# Altium PCB cPCIs_controller.pcbdoc (part 1 of 4) (continued)
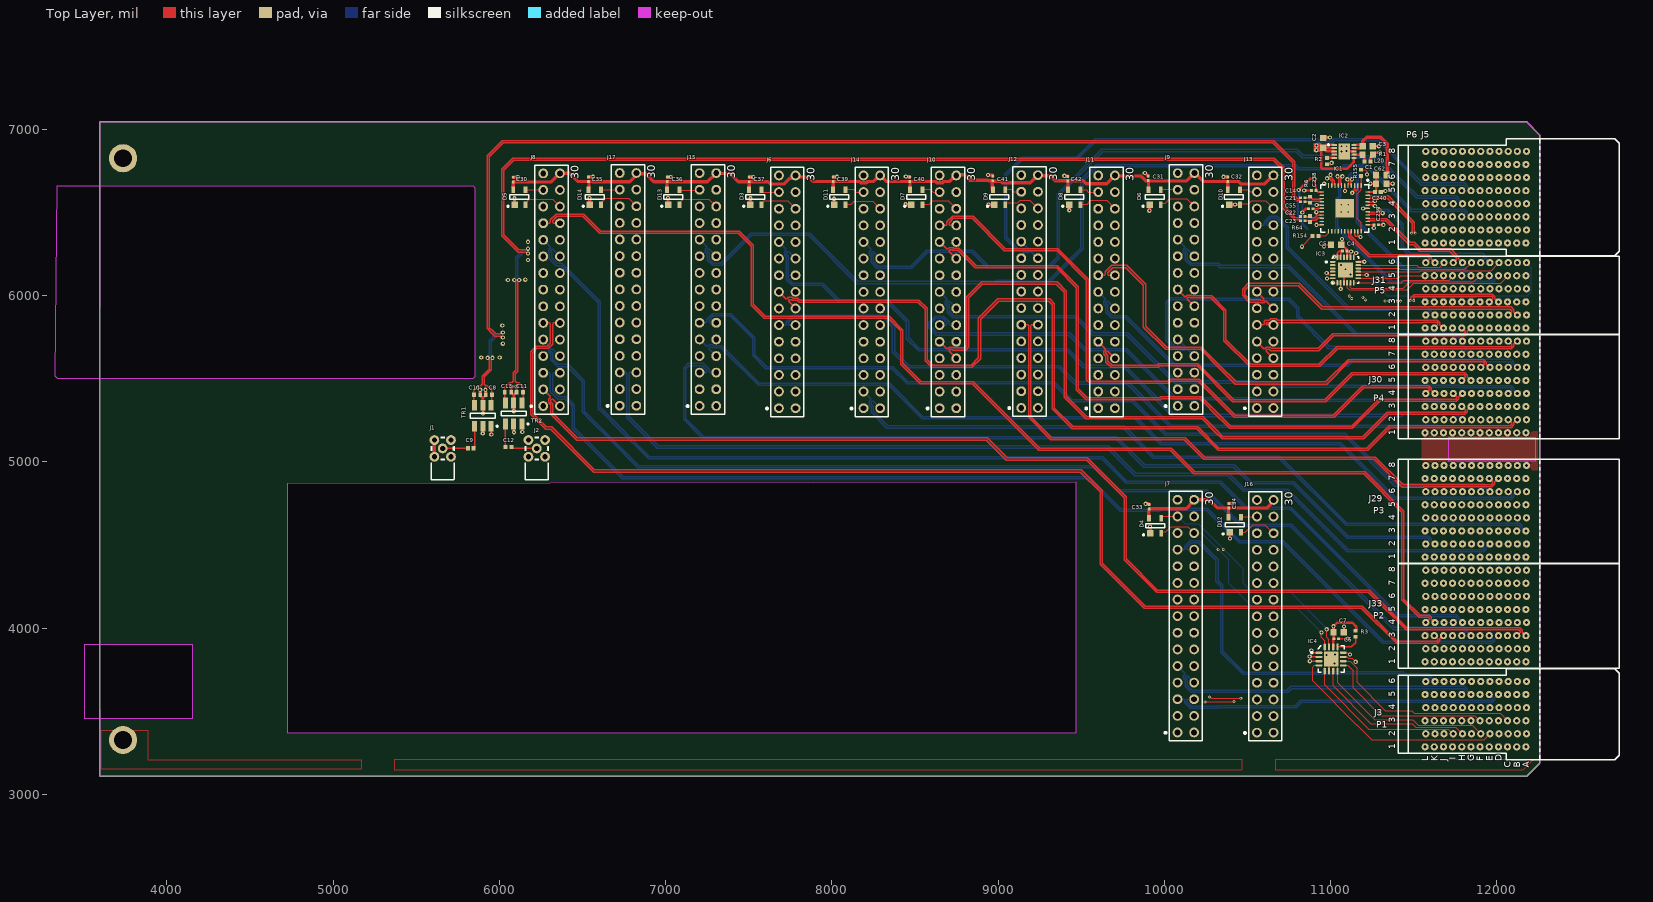
[diagram p0: Top Layer view]
## Classes and differential pairs
net class SLOT0: EXT0.LVDS_0_N EXT0.LVDS_0_P EXT0.LVDS_1_N EXT0.LVDS_1_P EXT0.LVDS_2_N EXT0.LVDS_2_P EXT0.LVDS_3_N EXT0.LVDS_3_P EXT0.LVDS_4_N EXT0.LVDS_4_P EXT0.LVDS_5_N EXT0.LVDS_5_P EXT0.LVDS_6_N EXT0.LVDS_6_P EXT0.LVDS_7_N EXT0.LVDS_7_P
net class SLOT11: EXT11.LVDS_0_N EXT11.LVDS_0_P EXT11.LVDS_1_N EXT11.LVDS_1_P EXT11.LVDS_2_N EXT11.LVDS_2_P EXT11.LVDS_3_N EXT11.LVDS_3_P EXT11.LVDS_4_N EXT11.LVDS_4_P EXT11.LVDS_5_N EXT11.LVDS_5_P EXT11.LVDS_6_N EXT11.LVDS_6_P EXT11.LVDS_7_N EXT11.LVDS_7_P
net class SLOT10: EXT10.LVDS_0_N EXT10.LVDS_0_P EXT10.LVDS_1_N EXT10.LVDS_1_P EXT10.LVDS_2_N EXT10.LVDS_2_P EXT10.LVDS_3_N EXT10.LVDS_3_P EXT10.LVDS_4_N EXT10.LVDS_4_P EXT10.LVDS_5_N EXT10.LVDS_5_P EXT10.LVDS_6_N EXT10.LVDS_6_P EXT10.LVDS_7_N EXT10.LVDS_7_P
net class SLOT9: EXT9.LVDS_0_N EXT9.LVDS_0_P EXT9.LVDS_1_N EXT9.LVDS_1_P EXT9.LVDS_2_N EXT9.LVDS_2_P EXT9.LVDS_3_N EXT9.LVDS_3_P EXT9.LVDS_4_N EXT9.LVDS_4_P EXT9.LVDS_5_N EXT9.LVDS_5_P EXT9.LVDS_6_N EXT9.LVDS_6_P EXT9.LVDS_7_N EXT9.LVDS_7_P
component class CPCIS_EEM_Controller: C4 C5 C6 C7 IC3 IC4 R3
net class CLK: 1_PE_CLK_N 1_PE_CLK_P 2_PE_CLK_N 2_PE_CLK_P 3_PE_CLK_N 3_PE_CLK_P 4_PE_CLK_N 4_PE_CLK_P 5_PE_CLK_N 5_PE_CLK_P 6_PE_CLK_N 6_PE_CLK_P 7_PE_CLK_N 7_PE_CLK_P 8_PE_CLK_N 8_PE_CLK_P
net class SLOT8: EXT8.LVDS_0_N EXT8.LVDS_0_P EXT8.LVDS_1_N EXT8.LVDS_1_P EXT8.LVDS_2_N EXT8.LVDS_2_P EXT8.LVDS_3_N EXT8.LVDS_3_P EXT8.LVDS_4_N EXT8.LVDS_4_P EXT8.LVDS_5_N EXT8.LVDS_5_P EXT8.LVDS_6_N EXT8.LVDS_6_P EXT8.LVDS_7_N EXT8.LVDS_7_P
net class SLOT7: EXT7.LVDS_0_N EXT7.LVDS_0_P EXT7.LVDS_1_N EXT7.LVDS_1_P EXT7.LVDS_2_N EXT7.LVDS_2_P EXT7.LVDS_3_N EXT7.LVDS_3_P EXT7.LVDS_4_N EXT7.LVDS_4_P EXT7.LVDS_5_N EXT7.LVDS_5_P EXT7.LVDS_6_N EXT7.LVDS_6_P EXT7.LVDS_7_N EXT7.LVDS_7_P
net class SLOT6: EXT6.LVDS_0_N EXT6.LVDS_0_P EXT6.LVDS_1_N EXT6.LVDS_1_P EXT6.LVDS_2_N EXT6.LVDS_2_P EXT6.LVDS_3_N EXT6.LVDS_3_P EXT6.LVDS_4_N EXT6.LVDS_4_P EXT6.LVDS_5_N EXT6.LVDS_5_P EXT6.LVDS_6_N EXT6.LVDS_6_P EXT6.LVDS_7_N EXT6.LVDS_7_P
net class SLOT5: EXT5.LVDS_0_N EXT5.LVDS_0_P EXT5.LVDS_1_N EXT5.LVDS_1_P EXT5.LVDS_2_N EXT5.LVDS_2_P EXT5.LVDS_3_N EXT5.LVDS_3_P EXT5.LVDS_4_N EXT5.LVDS_4_P EXT5.LVDS_5_N EXT5.LVDS_5_P EXT5.LVDS_6_N EXT5.LVDS_6_P EXT5.LVDS_7_N EXT5.LVDS_7_P
net class SLOT4: EXT4.LVDS_0_N EXT4.LVDS_0_P EXT4.LVDS_1_N EXT4.LVDS_1_P EXT4.LVDS_2_N EXT4.LVDS_2_P EXT4.LVDS_3_N EXT4.LVDS_3_P EXT4.LVDS_4_N EXT4.LVDS_4_P EXT4.LVDS_5_N EXT4.LVDS_5_P EXT4.LVDS_6_N EXT4.LVDS_6_P EXT4.LVDS_7_N EXT4.LVDS_7_P
net class SLOT3: EXT3.LVDS_0_N EXT3.LVDS_0_P EXT3.LVDS_1_N EXT3.LVDS_1_P EXT3.LVDS_2_N EXT3.LVDS_2_P EXT3.LVDS_3_N EXT3.LVDS_3_P EXT3.LVDS_4_N EXT3.LVDS_4_P EXT3.LVDS_5_N EXT3.LVDS_5_P EXT3.LVDS_6_N EXT3.LVDS_6_P EXT3.LVDS_7_N EXT3.LVDS_7_P
net class SLOT2: EXT2.LVDS_0_N EXT2.LVDS_0_P EXT2.LVDS_1_N EXT2.LVDS_1_P EXT2.LVDS_2_N EXT2.LVDS_2_P EXT2.LVDS_3_N EXT2.LVDS_3_P EXT2.LVDS_4_N EXT2.LVDS_4_P EXT2.LVDS_5_N EXT2.LVDS_5_P EXT2.LVDS_6_N EXT2.LVDS_6_P EXT2.LVDS_7_N EXT2.LVDS_7_P
net class SLOT1: EXT1.LVDS_0_N EXT1.LVDS_0_P EXT1.LVDS_1_N EXT1.LVDS_1_P EXT1.LVDS_2_N EXT1.LVDS_2_P EXT1.LVDS_3_N EXT1.LVDS_3_P EXT1.LVDS_4_N EXT1.LVDS_4_P EXT1.LVDS_5_N EXT1.LVDS_5_P EXT1.LVDS_6_N EXT1.LVDS_6_P EXT1.LVDS_7_N EXT1.LVDS_7_P
net class LVDS: 1_PE_CLK_N 1_PE_CLK_P 2_PE_CLK_N 2_PE_CLK_P 3_PE_CLK_N 3_PE_CLK_P 4_PE_CLK_N 4_PE_CLK_P 5_PE_CLK_N 5_PE_CLK_P 6_PE_CLK_N 6_PE_CLK_P 7_PE_CLK_N 7_PE_CLK_P 8_PE_CLK_N 8_PE_CLK_P EXT0.LVDS_0_N EXT0.LVDS_0_P EXT0.LVDS_1_N EXT0.LVDS_1_P EXT0.LVDS_2_N EXT0.LVDS_2_P EXT0.LVDS_3_N EXT0.LVDS_3_P EXT0.LVDS_4_N EXT0.LVDS_4_P EXT0.LVDS_5_N EXT0.LVDS_5_P EXT0.LVDS_6_N EXT0.LVDS_6_P EXT0.LVDS_7_N EXT0.LVDS_7_P EXT1.LVDS_0_N EXT1.LVDS_0_P EXT1.LVDS_1_N EXT1.LVDS_1_P EXT1.LVDS_2_N EXT1.LVDS_2_P EXT1.LVDS_3_N EXT1.LVDS_3_P EXT1.LVDS_4_N EXT1.LVDS_4_P EXT1.LVDS_5_N EXT1.LVDS_5_P EXT1.LVDS_6_N EXT1.LVDS_6_P EXT1.LVDS_7_N EXT1.LVDS_7_P EXT2.LVDS_0_N EXT2.LVDS_0_P EXT2.LVDS_1_N EXT2.LVDS_1_P EXT2.LVDS_2_N EXT2.LVDS_2_P EXT2.LVDS_3_N EXT2.LVDS_3_P EXT2.LVDS_4_N EXT2.LVDS_4_P EXT2.LVDS_5_N EXT2.LVDS_5_P EXT2.LVDS_6_N EXT2.LVDS_6_P EXT2.LVDS_7_N EXT2.LVDS_7_P EXT3.LVDS_0_N EXT3.LVDS_0_P EXT3.LVDS_1_N EXT3.LVDS_1_P EXT3.LVDS_2_N EXT3.LVDS_2_P EXT3.LVDS_3_N EXT3.LVDS_3_P EXT3.LVDS_4_N EXT3.LVDS_4_P EXT3.LVDS_5_N EXT3.LVDS_5_P EXT3.LVDS_6_N EXT3.LVDS_6_P EXT3.LVDS_7_N EXT3.LVDS_7_P EXT4.LVDS_0_N EXT4.LVDS_0_P EXT4.LVDS_1_N EXT4.LVDS_1_P EXT4.LVDS_2_N EXT4.LVDS_2_P EXT4.LVDS_3_N EXT4.LVDS_3_P EXT4.LVDS_4_N EXT4.LVDS_4_P EXT4.LVDS_5_N EXT4.LVDS_5_P EXT4.LVDS_6_N EXT4.LVDS_6_P EXT4.LVDS_7_N EXT4.LVDS_7_P EXT5.LVDS_0_N EXT5.LVDS_0_P EXT5.LVDS_1_N EXT5.LVDS_1_P EXT5.LVDS_2_N EXT5.LVDS_2_P EXT5.LVDS_3_N EXT5.LVDS_3_P EXT5.LVDS_4_N EXT5.LVDS_4_P EXT5.LVDS_5_N EXT5.LVDS_5_P EXT5.LVDS_6_N EXT5.LVDS_6_P EXT5.LVDS_7_N EXT5.LVDS_7_P EXT6.LVDS_0_N EXT6.LVDS_0_P EXT6.LVDS_1_N EXT6.LVDS_1_P EXT6.LVDS_2_N EXT6.LVDS_2_P EXT6.LVDS_3_N EXT6.LVDS_3_P EXT6.LVDS_4_N EXT6.LVDS_4_P EXT6.LVDS_5_N EXT6.LVDS_5_P EXT6.LVDS_6_N EXT6.LVDS_6_P EXT6.LVDS_7_N EXT6.LVDS_7_P EXT7.LVDS_0_N EXT7.LVDS_0_P EXT7.LVDS_1_N EXT7.LVDS_1_P EXT7.LVDS_2_N EXT7.LVDS_2_P EXT7.LVDS_3_N EXT7.LVDS_3_P EXT7.LVDS_4_N EXT7.LVDS_4_P EXT7.LVDS_5_N EXT7.LVDS_5_P EXT7.LVDS_6_N EXT7.LVDS_6_P EXT7.LVDS_7_N EXT7.LVDS_7_P EXT8.LVDS_0_N EXT8.LVDS_0_P EXT8.LVDS_1_N EXT8.LVDS_1_P EXT8.LVDS_2_N EXT8.LVDS_2_P EXT8.LVDS_3_N EXT8.LVDS_3_P EXT8.LVDS_4_N EXT8.LVDS_4_P EXT8.LVDS_5_N EXT8.LVDS_5_P EXT8.LVDS_6_N EXT8.LVDS_6_P EXT8.LVDS_7_N EXT8.LVDS_7_P EXT9.LVDS_0_N EXT9.LVDS_0_P EXT9.LVDS_1_N EXT9.LVDS_1_P EXT9.LVDS_2_N EXT9.LVDS_2_P EXT9.LVDS_3_N EXT9.LVDS_3_P EXT9.LVDS_4_N EXT9.LVDS_4_P EXT9.LVDS_5_N EXT9.LVDS_5_P EXT9.LVDS_6_N EXT9.LVDS_6_P EXT9.LVDS_7_N EXT9.LVDS_7_P EXT10.LVDS_0_N EXT10.LVDS_0_P EXT10.LVDS_1_N EXT10.LVDS_1_P EXT10.LVDS_2_N EXT10.LVDS_2_P EXT10.LVDS_3_N EXT10.LVDS_3_P EXT10.LVDS_4_N EXT10.LVDS_4_P EXT10.LVDS_5_N EXT10.LVDS_5_P EXT10.LVDS_6_N EXT10.LVDS_6_P EXT10.LVDS_7_N EXT10.LVDS_7_P EXT11.LVDS_0_N EXT11.LVDS_0_P EXT11.LVDS_1_N EXT11.LVDS_1_P EXT11.LVDS_2_N EXT11.LVDS_2_P EXT11.LVDS_3_N EXT11.LVDS_3_P EXT11.LVDS_4_N EXT11.LVDS_4_P EXT11.LVDS_5_N EXT11.LVDS_5_P EXT11.LVDS_6_N EXT11.LVDS_6_P EXT11.LVDS_7_N EXT11.LVDS_7_P
component class CLK_DIST: C1 C2 C3 C8 C9 C10 C11 C12 C13 C14 C21 C22 C23 C55 C62 C238 C239 C240 IC1 IC2 J1 J2 L20 R1 R2 R6 R64 R65 R66 R86 R103 R154 R155 TR1 TR2
net class I2C_SDA_[11..0]: I2C_SDA_0 I2C_SDA_1 I2C_SDA_2 I2C_SDA_3 I2C_SDA_4 I2C_SDA_5 I2C_SDA_6 I2C_SDA_7 I2C_SDA_8 I2C_SDA_9 I2C_SDA_10 I2C_SDA_11
net class I2C_SCL_[11..0]: I2C_SCL_0 I2C_SCL_1 I2C_SCL_2 I2C_SCL_3 I2C_SCL_4 I2C_SCL_5 I2C_SCL_6 I2C_SCL_7 I2C_SCL_8 I2C_SCL_9 I2C_SCL_10 I2C_SCL_11
component class U_IDC_EXT_Connectors: C30 C31 C32 C33 C34 C35 C36 C37 C39 C40 C41 C42 D3 D4 D5 D6 D7 D8 D9 D10 D11 D12 D13 D14 J6 J7 J8 J9 J10 J11 J12 J13 J14 J15 J16 J17
component class U_Cpcis_connectors_P4_P5_P6: J5 J30 J31
pad class Direct: Free-P13
component class U_Cpcis_connectors_P1_P2_P3: J3 J29 J33
differential pair EXT0.LVDS_7: +EXT0.LVDS_7_P -EXT0.LVDS_7_N
differential pair EXT0.LVDS_6: +EXT0.LVDS_6_P -EXT0.LVDS_6_N
differential pair EXT0.LVDS_5: +EXT0.LVDS_5_P -EXT0.LVDS_5_N
differential pair EXT0.LVDS_4: +EXT0.LVDS_4_P -EXT0.LVDS_4_N
differential pair EXT0.LVDS_3: +EXT0.LVDS_3_P -EXT0.LVDS_3_N
differential pair EXT0.LVDS_2: +EXT0.LVDS_2_P -EXT0.LVDS_2_N
differential pair EXT0.LVDS_1: +EXT0.LVDS_1_P -EXT0.LVDS_1_N
differential pair EXT0.LVDS_0: +EXT0.LVDS_0_P -EXT0.LVDS_0_N
differential pair EXT11.LVDS_7: +EXT11.LVDS_7_P -EXT11.LVDS_7_N
differential pair EXT11.LVDS_6: +EXT11.LVDS_6_P -EXT11.LVDS_6_N
differential pair EXT11.LVDS_5: +EXT11.LVDS_5_P -EXT11.LVDS_5_N
differential pair EXT11.LVDS_4: +EXT11.LVDS_4_P -EXT11.LVDS_4_N
differential pair EXT11.LVDS_3: +EXT11.LVDS_3_P -EXT11.LVDS_3_N
differential pair EXT11.LVDS_2: +EXT11.LVDS_2_P -EXT11.LVDS_2_N
differential pair EXT11.LVDS_1: +EXT11.LVDS_1_P -EXT11.LVDS_1_N
differential pair EXT11.LVDS_0: +EXT11.LVDS_0_P -EXT11.LVDS_0_N
differential pair EXT10.LVDS_7: +EXT10.LVDS_7_P -EXT10.LVDS_7_N
differential pair EXT10.LVDS_6: +EXT10.LVDS_6_P -EXT10.LVDS_6_N
differential pair EXT10.LVDS_5: +EXT10.LVDS_5_P -EXT10.LVDS_5_N
differential pair EXT10.LVDS_4: +EXT10.LVDS_4_P -EXT10.LVDS_4_N
differential pair EXT10.LVDS_3: +EXT10.LVDS_3_P -EXT10.LVDS_3_N
differential pair EXT10.LVDS_2: +EXT10.LVDS_2_P -EXT10.LVDS_2_N
differential pair EXT10.LVDS_1: +EXT10.LVDS_1_P -EXT10.LVDS_1_N
differential pair EXT10.LVDS_0: +EXT10.LVDS_0_P -EXT10.LVDS_0_N
differential pair EXT9.LVDS_7: +EXT9.LVDS_7_P -EXT9.LVDS_7_N
differential pair EXT9.LVDS_6: +EXT9.LVDS_6_P -EXT9.LVDS_6_N
differential pair EXT9.LVDS_5: +EXT9.LVDS_5_P -EXT9.LVDS_5_N
differential pair EXT9.LVDS_4: +EXT9.LVDS_4_P -EXT9.LVDS_4_N
differential pair EXT9.LVDS_3: +EXT9.LVDS_3_P -EXT9.LVDS_3_N
differential pair EXT9.LVDS_2: +EXT9.LVDS_2_P -EXT9.LVDS_2_N
differential pair EXT9.LVDS_1: +EXT9.LVDS_1_P -EXT9.LVDS_1_N
differential pair EXT9.LVDS_0: +EXT9.LVDS_0_P -EXT9.LVDS_0_N
differential pair AUX_DCXO_C: +AUX_DCXO_C_P -AUX_DCXO_C_N
differential pair Main_DCXO: +Main_DCXO_P -Main_DCXO_N
differential pair Main_DCXO_C: +Main_DCXO_C_P -Main_DCXO_C_N
differential pair 8_PE_CLK: +8_PE_CLK_P -8_PE_CLK_N
differential pair 7_PE_CLK: +7_PE_CLK_P -7_PE_CLK_N
differential pair 6_PE_CLK: +6_PE_CLK_P -6_PE_CLK_N
differential pair 5_PE_CLK: +5_PE_CLK_P -5_PE_CLK_N
differential pair 4_PE_CLK: +4_PE_CLK_P -4_PE_CLK_N
differential pair 3_PE_CLK: +3_PE_CLK_P -3_PE_CLK_N
differential pair 2_PE_CLK: +2_PE_CLK_P -2_PE_CLK_N
differential pair 1_PE_CLK: +1_PE_CLK_P -1_PE_CLK_N
differential pair EXT8.LVDS_7: +EXT8.LVDS_7_P -EXT8.LVDS_7_N
differential pair EXT8.LVDS_6: +EXT8.LVDS_6_P -EXT8.LVDS_6_N
differential pair EXT8.LVDS_5: +EXT8.LVDS_5_P -EXT8.LVDS_5_N
differential pair EXT8.LVDS_4: +EXT8.LVDS_4_P -EXT8.LVDS_4_N
differential pair EXT8.LVDS_3: +EXT8.LVDS_3_P -EXT8.LVDS_3_N
differential pair EXT8.LVDS_2: +EXT8.LVDS_2_P -EXT8.LVDS_2_N
differential pair EXT8.LVDS_1: +EXT8.LVDS_1_P -EXT8.LVDS_1_N
differential pair EXT8.LVDS_0: +EXT8.LVDS_0_P -EXT8.LVDS_0_N
differential pair EXT7.LVDS_7: +EXT7.LVDS_7_P -EXT7.LVDS_7_N
differential pair EXT7.LVDS_6: +EXT7.LVDS_6_P -EXT7.LVDS_6_N
differential pair EXT7.LVDS_5: +EXT7.LVDS_5_P -EXT7.LVDS_5_N
differential pair EXT7.LVDS_4: +EXT7.LVDS_4_P -EXT7.LVDS_4_N
differential pair EXT7.LVDS_3: +EXT7.LVDS_3_P -EXT7.LVDS_3_N
differential pair EXT7.LVDS_2: +EXT7.LVDS_2_P -EXT7.LVDS_2_N
differential pair EXT7.LVDS_1: +EXT7.LVDS_1_P -EXT7.LVDS_1_N
differential pair EXT7.LVDS_0: +EXT7.LVDS_0_P -EXT7.LVDS_0_N
differential pair EXT6.LVDS_7: +EXT6.LVDS_7_P -EXT6.LVDS_7_N
differential pair EXT6.LVDS_6: +EXT6.LVDS_6_P -EXT6.LVDS_6_N
differential pair EXT6.LVDS_5: +EXT6.LVDS_5_P -EXT6.LVDS_5_N
differential pair EXT6.LVDS_4: +EXT6.LVDS_4_P -EXT6.LVDS_4_N
differential pair EXT6.LVDS_3: +EXT6.LVDS_3_P -EXT6.LVDS_3_N
differential pair EXT6.LVDS_2: +EXT6.LVDS_2_P -EXT6.LVDS_2_N
differential pair EXT6.LVDS_1: +EXT6.LVDS_1_P -EXT6.LVDS_1_N
differential pair EXT6.LVDS_0: +EXT6.LVDS_0_P -EXT6.LVDS_0_N
differential pair EXT5.LVDS_7: +EXT5.LVDS_7_P -EXT5.LVDS_7_N
differential pair EXT5.LVDS_6: +EXT5.LVDS_6_P -EXT5.LVDS_6_N
differential pair EXT5.LVDS_5: +EXT5.LVDS_5_P -EXT5.LVDS_5_N
differential pair EXT5.LVDS_4: +EXT5.LVDS_4_P -EXT5.LVDS_4_N
differential pair EXT5.LVDS_3: +EXT5.LVDS_3_P -EXT5.LVDS_3_N
differential pair EXT5.LVDS_2: +EXT5.LVDS_2_P -EXT5.LVDS_2_N
differential pair EXT5.LVDS_1: +EXT5.LVDS_1_P -EXT5.LVDS_1_N
differential pair EXT5.LVDS_0: +EXT5.LVDS_0_P -EXT5.LVDS_0_N
differential pair EXT4.LVDS_7: +EXT4.LVDS_7_P -EXT4.LVDS_7_N
differential pair EXT4.LVDS_6: +EXT4.LVDS_6_P -EXT4.LVDS_6_N
differential pair EXT4.LVDS_5: +EXT4.LVDS_5_P -EXT4.LVDS_5_N
differential pair EXT4.LVDS_4: +EXT4.LVDS_4_P -EXT4.LVDS_4_N
differential pair EXT4.LVDS_3: +EXT4.LVDS_3_P -EXT4.LVDS_3_N
differential pair EXT4.LVDS_2: +EXT4.LVDS_2_P -EXT4.LVDS_2_N
differential pair EXT4.LVDS_1: +EXT4.LVDS_1_P -EXT4.LVDS_1_N
differential pair EXT4.LVDS_0: +EXT4.LVDS_0_P -EXT4.LVDS_0_N
differential pair EXT3.LVDS_7: +EXT3.LVDS_7_P -EXT3.LVDS_7_N
differential pair EXT3.LVDS_6: +EXT3.LVDS_6_P -EXT3.LVDS_6_N
differential pair EXT3.LVDS_5: +EXT3.LVDS_5_P -EXT3.LVDS_5_N
differential pair EXT3.LVDS_4: +EXT3.LVDS_4_P -EXT3.LVDS_4_N
differential pair EXT3.LVDS_3: +EXT3.LVDS_3_P -EXT3.LVDS_3_N
differential pair EXT3.LVDS_2: +EXT3.LVDS_2_P -EXT3.LVDS_2_N
differential pair EXT3.LVDS_1: +EXT3.LVDS_1_P -EXT3.LVDS_1_N
differential pair EXT3.LVDS_0: +EXT3.LVDS_0_P -EXT3.LVDS_0_N
differential pair EXT2.LVDS_7: +EXT2.LVDS_7_P -EXT2.LVDS_7_N
differential pair EXT2.LVDS_6: +EXT2.LVDS_6_P -EXT2.LVDS_6_N
differential pair EXT2.LVDS_5: +EXT2.LVDS_5_P -EXT2.LVDS_5_N
differential pair EXT2.LVDS_4: +EXT2.LVDS_4_P -EXT2.LVDS_4_N
differential pair EXT2.LVDS_3: +EXT2.LVDS_3_P -EXT2.LVDS_3_N
differential pair EXT2.LVDS_2: +EXT2.LVDS_2_P -EXT2.LVDS_2_N
differential pair EXT2.LVDS_1: +EXT2.LVDS_1_P -EXT2.LVDS_1_N
differential pair EXT2.LVDS_0: +EXT2.LVDS_0_P -EXT2.LVDS_0_N
differential pair EXT1.LVDS_7: +EXT1.LVDS_7_P -EXT1.LVDS_7_N
differential pair EXT1.LVDS_6: +EXT1.LVDS_6_P -EXT1.LVDS_6_N
differential pair EXT1.LVDS_5: +EXT1.LVDS_5_P -EXT1.LVDS_5_N
differential pair EXT1.LVDS_4: +EXT1.LVDS_4_P -EXT1.LVDS_4_N
differential pair EXT1.LVDS_3: +EXT1.LVDS_3_P -EXT1.LVDS_3_N
differential pair EXT1.LVDS_2: +EXT1.LVDS_2_P -EXT1.LVDS_2_N
differential pair EXT1.LVDS_1: +EXT1.LVDS_1_P -EXT1.LVDS_1_N
differential pair EXT1.LVDS_0: +EXT1.LVDS_0_P -EXT1.LVDS_0_N

## Components (designator, comment, footprint, x,y, rotation, side; value= is the part's Value field where it differs from the comment)
C1 "470nF" CAPC1005X55N 11222,6806 r0 top
C2 "4.7uF" CAPC1709X95N 10957,6919.53 r270 top
C3 "10uF" CAPC1608X80N 11223.53,6900 r180 top
C4 "100nF" CAPC0603X33N 11085,6269 r0 top
C5 "1uF" CAPC1608X87N 11034,6307 r0 top
C6 "100nF" CAPC0603X33N 11034,3936 r180 top
C7 "1uF" CAPC1608X87N 11049,3975 r180 top
C8 "0.5pF" CAPC1005X50N 5937,5405 r0 top
C9 "100nF" CAPC1005X55N 5828,5082 r0 top
C10 "0.5pF" CAPC1005X50N 5866,5405 r0 top
C11 "0.5pF" CAPC1005X50N 6123,5419 r0 top
C12 "100nF" CAPC1005X55N 6054,5090 r180 top
C13 "0.5pF" CAPC1005X50N 6052,5419 r0 top
C14 "100nF" CAPC0603X33N 10834,6590 r0 top
C21 "100nF" CAPC0603X33N 10834,6565 r0 top
C22 "100nF" CAPC0603X33N 10833,6476 r0 top
C23 "100nF" CAPC0603X33N 10833,6450 r0 top
C30 "100nF" CAPC0603X33N 6084,6698.78 r270 top
C31 "100nF" CAPC0603X33N 9903,6706 r270 top
C32 "100nF" CAPC0603X33N 10383,6701 r270 top
C33 "100nF" CAPC0603X33N 9909,4731 r270 top
C34 "100nF" CAPC0603X33N 10387,4736 r270 top
C35 "100nF" CAPC0603X33N 6536,6701 r270 top
C36 "100nF" CAPC0603X33N 7009,6700 r270 top
C37 "100nF" CAPC0603X33N 7503,6699 r270 top
C39 "100nF" CAPC0603X33N 8008,6701 r270 top
C40 "100nF" CAPC0603X33N 8470,6701 r270 top
C41 "100nF" CAPC0603X33N 8969,6705 r270 top
C42 "100nF" CAPC0603X33N 9420,6704 r270 top
C55 "100nF" CAPC0603X33N 10881,6524 r0 top
C62 "1uF" CAPC1608X87N 11306,6673 r180 top
C238 "100nF" CAPC0603X33N 10899,6633 r0 top
C239 "100nF" CAPC0603X33N 11275,6427 r180 top
C240 "100pF" CAPC1005X55N 11285,6623 r180 top
D3 "PRTR5V0U2X" SOT190P230X110-4N 7539.6,6593 r90 top
D4 "PRTR5V0U2X" SOT190P230X110-4N 9944.6,4616.28 r90 top
D5 "PRTR5V0U2X" SOT190P230X110-4N 6121,6593 r90 top
D6 "PRTR5V0U2X" SOT190P230X110-4N 9941.6,6593 r90 top
D7 "PRTR5V0U2X" SOT190P230X110-4N 8507.28,6593 r90 top
D8 "PRTR5V0U2X" SOT190P230X110-4N 9458,6593 r90 top
D9 "PRTR5V0U2X" SOT190P230X110-4N 9006,6593 r90 top
D10 "PRTR5V0U2X" SOT190P230X110-4N 10419.6,6593 r90 top
D11 "PRTR5V0U2X" SOT190P230X110-4N 8045.28,6593 r90 top
D12 "PRTR5V0U2X" SOT190P230X110-4N 10423.4,4621.72 r90 top
D13 "PRTR5V0U2X" SOT190P230X110-4N 7046.28,6593 r90 top
D14 "PRTR5V0U2X" SOT190P230X110-4N 6573,6593 r90 top
IC1 "Si53312-B-GM" SLAB-QFN-44-2800x2800TP_N 11086.2,6525.06 r270 top
IC2 "LT3045EDD#PBF" SON50P300X300X80-11N-R175X248 11082,6868 r0 top
IC3 "PCA9555AHF" QFN50P400X400X80-25N-S225 11091,6154 r0 top
IC4 "PCA9557BS" QFN65P400X400X100-17N-S225 11004,3814 r0 top
J1 "Coax_1Female_1Shield" HUBER-SUHNER_85_MMCX-50-0-1/111_OE 5659,5081 r270 top
J2 "Coax_1Female_1Shield" HUBER-SUHNER_85_MMCX-50-0-1/111_OE 6225,5081 r270 top
J3 "P1" AMPHENOL_10052825-101LF 11874.56,3482.28 r90 top locked
J5 "P6" AMPHENOL_10052838-101LF 11874.56,6592.52 r90 top locked
J6 "AMPMODU" TYCO_1-215307-5 7732,5573 r90 top
J7 "AMPMODU" TYCO_1-215307-5 10130,3622 r90 top
J8 "AMPMODU" TYCO_1-215307-5 6314,5586 r90 top
J9 "AMPMODU" TYCO_1-215307-5 10131,5587 r90 top
J10 "AMPMODU" TYCO_1-215307-5 8699,5573 r90 top
J11 "AMPMODU" TYCO_1-215307-5 9653,5573 r90 top
J12 "AMPMODU" TYCO_1-215307-5 9190,5575 r90 top
J13 "AMPMODU" TYCO_1-215307-5 10607,5574 r90 top
J14 "AMPMODU" TYCO_1-215307-5 8241,5573 r90 top
J15 "AMPMODU" TYCO_1-215307-5 7255,5587 r90 top
J16 "AMPMODU" TYCO_1-215307-5 10608,3621 r90 top
J17 "AMPMODU" TYCO_1-215307-5 6774,5588 r90 top
J29 "P3" AMPHENOL_10052837-101LF 11874.56,4702.76 r90 top locked
J30 "P4" AMPHENOL_10052837-101LF 11874.56,5450.79 r90 top locked
J31 "P5" AMPHENOL_10052824-101LF 11874.56,6001.97 r90 top locked
J33 "P2" AMPHENOL_10052837-101LF 11874.56,4072.83 r90 top locked
L20 "120R@100MHz" INDC1608X95N 11306,6726 r0 top
R1 "18k" RESC1608X55N 11225,6848 r0 top
R2 "1k" RESC1005X40N 10978,6809 r90 top
R3 "10k" RESC1005X40N 11151,3966 r270 top
R6 "100" RESC1005X40N 10878,6577 r270 top
R64 "100" RESC1005X40N 10877,6461 r270 top
R65 "10k" RESC1005X40N 10857.5,6552 r180 bottom
R66 "0" RESC1608X55N 10865,6433 r90 bottom
R86 "10k" RESC1005X40N 10933,6469 r0 bottom
R103 "0" RESC1608X55N 10845,6596 r0 bottom
R154 "470" RESC1005X40N 10910,6360 r0 top
R155 "470" RESC1005X40N 11185,6739 r270 top
TR1 "1:2" XFMR_MINI-CIRCUITS_DB1627 5901,5277.6 r180 top
TR2 "1:2" XFMR_MINI-CIRCUITS_DB1627 6086,5291 r180 top

## Footprints (in the part's own frame and the unit in brackets; to place one, negate y for a bottom-side part, rotate by r counter-clockwise, add the part's x,y. Pads: shape width x height; smd on the part's side, far side on the other; paste and mask are expansions set on the pad)
AMPHENOL_10052824-101LF [mm] "72 Contacts, 2mm Pitch, 6 Columns, 4 Pairs per Column, 2 Walls, Right Angle Header"
  round 1.1 hole 0.5: A1(-5,-7.65) A2(-3,-7.75) A3(-1,-7.65) A4(1,-7.75) A5(3,-7.65) A6(5,-7.75) B1(-5,-6.25) B2(-3,-6.35) B3(-1,-6.25) B4(1,-6.35) B5(3,-6.25) B6(5,-6.35) C1(-5,-4.85) C2(-3,-4.95) C3(-1,-4.85) C4(1,-4.95) C5(3,-4.85) C6(5,-4.95) D1(-5,-3.45) D2(-3,-3.55) D3(-1,-3.45) D4(1,-3.55) D5(3,-3.45) D6(5,-3.55) E1(-5,-2.05) E2(-3,-2.15) E3(-1,-2.05) E4(1,-2.15) E5(3,-2.05) E6(5,-2.15) F1(-5,-0.65) F2(-3,-0.75) F3(-1,-0.65) F4(1,-0.75) F5(3,-0.65) F6(5,-0.75) G1(-5,0.75) G2(-3,0.65) G3(-1,0.75) G4(1,0.65) G5(3,0.75) G6(5,0.65) H1(-5,2.15) H2(-3,2.05) H3(-1,2.15) H4(1,2.05) H5(3,2.15) H6(5,2.05) I1(-5,3.55) I2(-3,3.45) I3(-1,3.55) I4(1,3.45) I5(3,3.55) I6(5,3.45) J1(-5,4.95) J2(-3,4.85) J3(-1,4.95) J4(1,4.85) J5(3,4.95) J6(5,4.85) K1(-5,6.35) K2(-3,6.25) K3(-1,6.35) K4(1,6.25) K5(3,6.35) K6(5,6.25) L1(-5,7.75) L2(-3,7.65) L3(-1,7.75) L4(1,7.65) L5(3,7.75) L6(5,7.65)
  silkscreen extent -5.95,-21.95 5.95,11.85, body extent -5.95,-21.95 5.95,11.85, height 15.25
AMPHENOL_10052825-101LF [mm] "72 Contacts, 2mm Pitch, 6 Columns, 4 Pairs per Column, 4 Walls, Right Angle Header"
  round 1.1 hole 0.5: A1(-5,-7.65) A2(-3,-7.75) A3(-1,-7.65) A4(1,-7.75) A5(3,-7.65) A6(5,-7.75) B1(-5,-6.25) B2(-3,-6.35) B3(-1,-6.25) B4(1,-6.35) B5(3,-6.25) B6(5,-6.35) C1(-5,-4.85) C2(-3,-4.95) C3(-1,-4.85) C4(1,-4.95) C5(3,-4.85) C6(5,-4.95) D1(-5,-3.45) D2(-3,-3.55) D3(-1,-3.45) D4(1,-3.55) D5(3,-3.45) D6(5,-3.55) E1(-5,-2.05) E2(-3,-2.15) E3(-1,-2.05) E4(1,-2.15) E5(3,-2.05) E6(5,-2.15) F1(-5,-0.65) F2(-3,-0.75) F3(-1,-0.65) F4(1,-0.75) F5(3,-0.65) F6(5,-0.75) G1(-5,0.75) G2(-3,0.65) G3(-1,0.75) G4(1,0.65) G5(3,0.75) G6(5,0.65) H1(-5,2.15) H2(-3,2.05) H3(-1,2.15) H4(1,2.05) H5(3,2.15) H6(5,2.05) I1(-5,3.55) I2(-3,3.45) I3(-1,3.55) I4(1,3.45) I5(3,3.55) I6(5,3.45) J1(-5,4.95) J2(-3,4.85) J3(-1,4.95) J4(1,4.85) J5(3,4.95) J6(5,4.85) K1(-5,6.35) K2(-3,6.25) K3(-1,6.35) K4(1,6.25) K5(3,6.35) K6(5,6.25) L1(-5,7.75) L2(-3,7.65) L3(-1,7.75) L4(1,7.65) L5(3,7.75) L6(5,7.65)
  silkscreen extent -6.95,-21.95 6.95,11.85, body extent -6.95,-21.95 6.95,11.85, height 15.25
AMPHENOL_10052837-101LF [mm] "96 Contacts, 2mm Pitch, 8 Columns, 4 Pairs per Column, 2 Walls, Right Angle Header"
  round 1.1 hole 0.5: A1(-7,-7.65) A2(-5,-7.75) A3(-3,-7.65) A4(-1,-7.75) A5(1,-7.65) A6(3,-7.75) A7(5,-7.65) A8(7,-7.75) B1(-7,-6.25) B2(-5,-6.35) B3(-3,-6.25) B4(-1,-6.35) B5(1,-6.25) B6(3,-6.35) B7(5,-6.25) B8(7,-6.35) C1(-7,-4.85) C2(-5,-4.95) C3(-3,-4.85) C4(-1,-4.95) C5(1,-4.85) C6(3,-4.95) C7(5,-4.85) C8(7,-4.95) D1(-7,-3.45) D2(-5,-3.55) D3(-3,-3.45) D4(-1,-3.55) D5(1,-3.45) D6(3,-3.55) D7(5,-3.45) D8(7,-3.55) E1(-7,-2.05) E2(-5,-2.15) E3(-3,-2.05) E4(-1,-2.15) E5(1,-2.05) E6(3,-2.15) E7(5,-2.05) E8(7,-2.15) F1(-7,-0.65) F2(-5,-0.75) F3(-3,-0.65) F4(-1,-0.75) F5(1,-0.65) F6(3,-0.75) F7(5,-0.65) F8(7,-0.75) G1(-7,0.75) G2(-5,0.65) G3(-3,0.75) G4(-1,0.65) G5(1,0.75) G6(3,0.65) G7(5,0.75) G8(7,0.65) H1(-7,2.15) H2(-5,2.05) H3(-3,2.15) H4(-1,2.05) H5(1,2.15) H6(3,2.05) H7(5,2.15) H8(7,2.05) I1(-7,3.55) I2(-5,3.45) I3(-3,3.55) I4(-1,3.45) I5(1,3.55) I6(3,3.45) I7(5,3.55) I8(7,3.45) J1(-7,4.95) J2(-5,4.85) J3(-3,4.95) J4(-1,4.85) J5(1,4.95) J6(3,4.85) J7(5,4.95) J8(7,4.85) K1(-7,6.35) K2(-5,6.25) K3(-3,6.35) K4(-1,6.25) K5(1,6.35) K6(3,6.25) K7(5,6.35) K8(7,6.25) L1(-7,7.75) L2(-5,7.65) L3(-3,7.75) L4(-1,7.65) L5(1,7.75) L6(3,7.65) L7(5,7.75) L8(7,7.65)
  silkscreen extent -7.95,-21.95 7.95,11.85, body extent -7.95,-21.95 7.95,11.85, height 15.25
AMPHENOL_10052838-101LF [mm] "96 Contacts, 2mm Pitch, 8 Columns, 4 Pairs per Column, 4 Walls, Right Angle Header"
  round 1.1 hole 0.5: A1(-7,-7.65) A2(-5,-7.75) A3(-3,-7.65) A4(-1,-7.75) A5(1,-7.65) A6(3,-7.75) A7(5,-7.65) A8(7,-7.75) B1(-7,-6.25) B2(-5,-6.35) B3(-3,-6.25) B4(-1,-6.35) B5(1,-6.25) B6(3,-6.35) B7(5,-6.25) B8(7,-6.35) C1(-7,-4.85) C2(-5,-4.95) C3(-3,-4.85) C4(-1,-4.95) C5(1,-4.85) C6(3,-4.95) C7(5,-4.85) C8(7,-4.95) D1(-7,-3.45) D2(-5,-3.55) D3(-3,-3.45) D4(-1,-3.55) D5(1,-3.45) D6(3,-3.55) D7(5,-3.45) D8(7,-3.55) E1(-7,-2.05) E2(-5,-2.15) E3(-3,-2.05) E4(-1,-2.15) E5(1,-2.05) E6(3,-2.15) E7(5,-2.05) E8(7,-2.15) F1(-7,-0.65) F2(-5,-0.75) F3(-3,-0.65) F4(-1,-0.75) F5(1,-0.65) F6(3,-0.75) F7(5,-0.65) F8(7,-0.75) G1(-7,0.75) G2(-5,0.65) G3(-3,0.75) G4(-1,0.65) G5(1,0.75) G6(3,0.65) G7(5,0.75) G8(7,0.65) H1(-7,2.15) H2(-5,2.05) H3(-3,2.15) H4(-1,2.05) H5(1,2.15) H6(3,2.05) H7(5,2.15) H8(7,2.05) I1(-7,3.55) I2(-5,3.45) I3(-3,3.55) I4(-1,3.45) I5(1,3.55) I6(3,3.45) I7(5,3.55) I8(7,3.45) J1(-7,4.95) J2(-5,4.85) J3(-3,4.95) J4(-1,4.85) J5(1,4.95) J6(3,4.85) J7(5,4.95) J8(7,4.85) K1(-7,6.35) K2(-5,6.25) K3(-3,6.35) K4(-1,6.25) K5(1,6.35) K6(3,6.25) K7(5,6.35) K8(7,6.25) L1(-7,7.75) L2(-5,7.65) L3(-3,7.75) L4(-1,7.65) L5(1,7.75) L6(3,7.65) L7(5,7.75) L8(7,7.65)
  silkscreen extent -8.95,-21.95 8.95,11.85, body extent -8.95,-21.95 8.95,11.85, height 15.25
CAPC0603X33N [mm] "Chip Capacitor, Body 0.6x0.30mm, IPC Medium Density"
  rect 0.45x0.4 smd: 1(-0.35,0) 2(0.35,0)
  body extent -0.31,-0.16 0.32,0.17, height 0.33
CAPC1005X50N [mm] "Chip Capacitor, Body 1.0x0.55mm, IPC Medium Density"
  rect 0.57x0.68 smd: 1(-0.49,0) 2(0.49,0)
  body extent -0.5,-0.27 0.5,0.28, height 0.5
CAPC1005X55N [mm] "Capacitor, Non-Polarized, Chip; 1.00mm L X 0.50mm W X 0.70mm H, IPC Medium Density"
  rect 0.62x0.62 smd: 1(-0.45,0) 2(0.45,0)
  body extent -0.52,-0.27 0.53,0.28, height 0.55
CAPC1608X80N [mm] "Chip Capacitor, Body 1.6x0.8mm IPC Medium Density"
  rect 1x1 smd: 1(-0.75,0) 2(0.75,0)
  body extent -0.87,-0.47 0.88,0.48, height 0.8
CAPC1608X87N [mm] "Chip Capacitor, Body 1.6x0.8mm IPC Medium Density"
  rect 0.95x1 smd: 1(-0.8,0) 2(0.8,0)
  body extent -0.87,-0.47 0.88,0.48, height 0.87
CAPC1709X95N [mm] "Capacitor, non-Polarized, Chip; 1.65mm L X 0.85mm W X 0.95mm H,IPC Medium Density"
  rect 0.95x1 smd: 1(-0.75,0) 2(0.75,0)
  body extent -0.87,-0.47 0.88,0.48, height 0.95
HUBER-SUHNER_85_MMCX-50-0-1/111_OE [mm] "MMCX 50 Ohm Right Angle PCB Jack"
  round 1.5 hole 0.8: 1(0,0) 2(-1.27,1.27) 2(-1.27,-1.27) 2(1.27,1.27) 2(1.27,-1.27)
  silkscreen extent -1.73,-1.74 4.82,1.74, body extent -1.73,-1.74 4.82,1.74, height 3.8
INDC1608X95N [mm] "Chip Inductor, 2-Leads, EIA 0603, Metric 1608, Body 1.6x0.8mm, IPC Medium Density"
  rect 0.95x1 smd: 1(-0.8,0) 2(0.8,0)
  body extent -0.87,-0.47 0.88,0.48, height 0.95
QFN50P400X400X80-25N-S225 [mm] "QFN,0.50mm pitch,square;6 pin X 6 pin,4mm X 4mm body (w/thermal tab 2.25 X 2.25 mm), IPC Medium Density"
  oval 0.85x0.3 smd: 1(-1.95,1.25) 2(-1.95,0.75) 3(-1.95,0.25) 4(-1.95,-0.25) 5(-1.95,-0.75) 6(-1.95,-1.25) 13(1.95,-1.25) 14(1.95,-0.75) 15(1.95,-0.25) 16(1.95,0.25) 17(1.95,0.75) 18(1.95,1.25)
  oval 0.3x0.85 smd: 7(-1.25,-1.95) 8(-0.75,-1.95) 9(-0.25,-1.95) 10(0.25,-1.95) 11(0.75,-1.95) 12(1.25,-1.95) 19(1.25,1.95) 20(0.75,1.95) 21(0.25,1.95) 22(-0.25,1.95) 23(-0.75,1.95) 24(-1.25,1.95)
  rect 2.25x2.25 smd: 25(0,0)
  silkscreen extent -3.07,-2 2,2, body extent -2.07,-2.07 2.08,2.08, height 0.8
QFN65P400X400X100-17N-S225 [mm] "QFN, 0.65mm pitch,square; 4 pin X 4 pin, 4mm X 4mm X 1mm H body (w/thermal tab 2.25 X 2.25mm),  IPC Medium Density"
  oval 1.05x0.35 smd: 1(-1.85,0.975) 2(-1.85,0.325) 3(-1.85,-0.325) 4(-1.85,-0.975) 9(1.85,-0.975) 10(1.85,-0.325) 11(1.85,0.325) 12(1.85,0.975)
  oval 0.35x1.05 smd: 5(-0.975,-1.85) 6(-0.325,-1.85) 7(0.325,-1.85) 8(0.975,-1.85) 13(0.975,1.85) 14(0.325,1.85) 15(-0.325,1.85) 16(-0.975,1.85)
  rect 2.25x2.25 smd: 17(0,0)
  silkscreen extent -3.07,-2 2,2, body extent -2,-2 2,2, height 1
RESC1005X40N [mm] "Chip Resistor, EIA 0402, Metric 1005, Body 1.0x0.5mm, IPC Medium Density"
  rect 0.58x0.62 smd: 1(-0.47,0) 2(0.47,0)
  body extent -0.52,-0.27 0.53,0.28, height 0.4
RESC1608X55N [mm] "Chip Resistor, EIA 0603, Metric 1608, Body 1.6x0.8mm, IPC Medium Density"
  rect 0.9x1 smd: 1(-0.8,0) 2(0.8,0)
  body extent -0.87,-0.47 0.88,0.48, height 0.55
SLAB-QFN-44-2800x2800TP_N [mm] "QFN, 44-Leads, Body 7x7mm, Pitch 0.5mm, Thermal Pad 2.8x2.8mm, IPC Medium Density"
  oval 0.7x0.2 smd: 1(-3.5,2.5) 2(-3.5,2) 3(-3.5,1.5) 4(-3.5,1) 5(-3.5,0.5) 6(-3.5,0) 7(-3.5,-0.5) 8(-3.5,-1) 9(-3.5,-1.5) 10(-3.5,-2) 11(-3.5,-2.5) 23(3.5,-2.5) 24(3.5,-2) 25(3.5,-1.5) 26(3.5,-1) 27(3.5,-0.5) 28(3.5,0) 29(3.5,0.5) 30(3.5,1) 31(3.5,1.5) 32(3.5,2) 33(3.5,2.5)
  oval 0.2x0.7 smd: 12(-2.5,-3.5) 13(-2,-3.5) 14(-1.5,-3.5) 15(-1,-3.5) 16(-0.5,-3.5) 17(0,-3.5) 18(0.5,-3.5) 19(1,-3.5) 20(1.5,-3.5) 21(2,-3.5) 22(2.5,-3.5) 34(2.5,3.5) 35(2,3.5) 36(1.5,3.5) 37(1,3.5) 38(0.5,3.5) 39(0,3.5) 40(-0.5,3.5) 41(-1,3.5) 42(-1.5,3.5) 43(-2,3.5) 44(-2.5,3.5)
  rect 2.8x2.8 smd: 45(0,0)
  silkscreen extent -4.42,-3.65 3.65,3.65, body extent -3.5,-3.5 3.5,3.5, height 0.9
SON50P300X300X80-11N-R175X248 [mm] "SON, 0.50mm Pitch; 10-pin, 3.00mm W  X 3.00mm L X 0.80mm H Body, (w/thermal tab 1.75 X 2.48 mm), IPC Medium Density"
  rect 0.8x0.3 smd: 1(-1.5,1) 2(-1.5,0.5) 3(-1.5,0) 4(-1.5,-0.5) 5(-1.5,-1) 6(1.5,-1) 7(1.5,-0.5) 8(1.5,0) 9(1.5,0.5) 10(1.5,1)
  rect 1.75x2.48 smd: 11(0,0)
  silkscreen extent -2.52,0.88 -2.27,1.12, body extent -1.5,-1.5 1.5,1.5, height 0.8
SOT190P230X110-4N [mm] "SOT143, SOT, 1.90mm Pitch; 4 Pin, 1.30mm W X 2.90mm L X 1.10mm H body, IPC Medium Density"
  rect 1x1 smd: 1(-1.15,0.75)
  rect 1x0.6 smd: 2(-1.15,-0.95) 3(1.15,-0.95) 4(1.15,0.95)
  silkscreen extent -1.52,-1.45 0.33,1.87, body extent -1.25,-1.5 1.25,1.5, height 1.1
TYCO_1-215307-5 [mm] "30 Contacts - Pitch 2.54mm - Dual Row Top Entry Socket"
  round 1.5 hole 0.9: 1(-6.35,1.27) 2(-6.35,-1.27) 3(-3.81,1.27) 4(-3.81,-1.27) 5(-1.27,1.27) 6(-1.27,-1.27) 7(1.27,1.27) 8(1.27,-1.27) 9(3.81,1.27) 10(3.81,-1.27) 11(6.35,1.27) 12(6.35,-1.27) 13(8.89,1.27) 14(8.89,-1.27) 15(11.43,1.27) 16(11.43,-1.27) 17(13.97,1.27) 18(13.97,-1.27) 19(16.51,1.27) 20(16.51,-1.27) 21(19.05,1.27) 22(19.05,-1.27) 23(21.59,1.27) 24(21.59,-1.27) 25(24.13,1.27) 26(24.13,-1.27) 27(26.67,1.27) 28(26.67,-1.27) 29(29.21,1.27) 30(29.21,-1.27)
  silkscreen extent -7.62,-2.54 30.48,3.26, body extent -7.62,-2.53 30.48,2.53, height 7.01
XFMR_MINI-CIRCUITS_DB1627 [mm] "MINI-CIRCUITS RF Transformer, Case DB1627 - Body 4.06X3.81mm"
  rect 0.76x1.65 smd: 1(-1.27,1.59) 2(0,1.59) 3(1.27,1.59) 4(1.27,-1.59) 5(0,-1.59) 6(-1.27,-1.59)
  silkscreen extent -2.3,-0.37 1.91,1.72, body extent -1.9,-2.03 1.91,2.03, height 4.06